# Altium PCB PCB_supply unit.PcbDoc (continued)
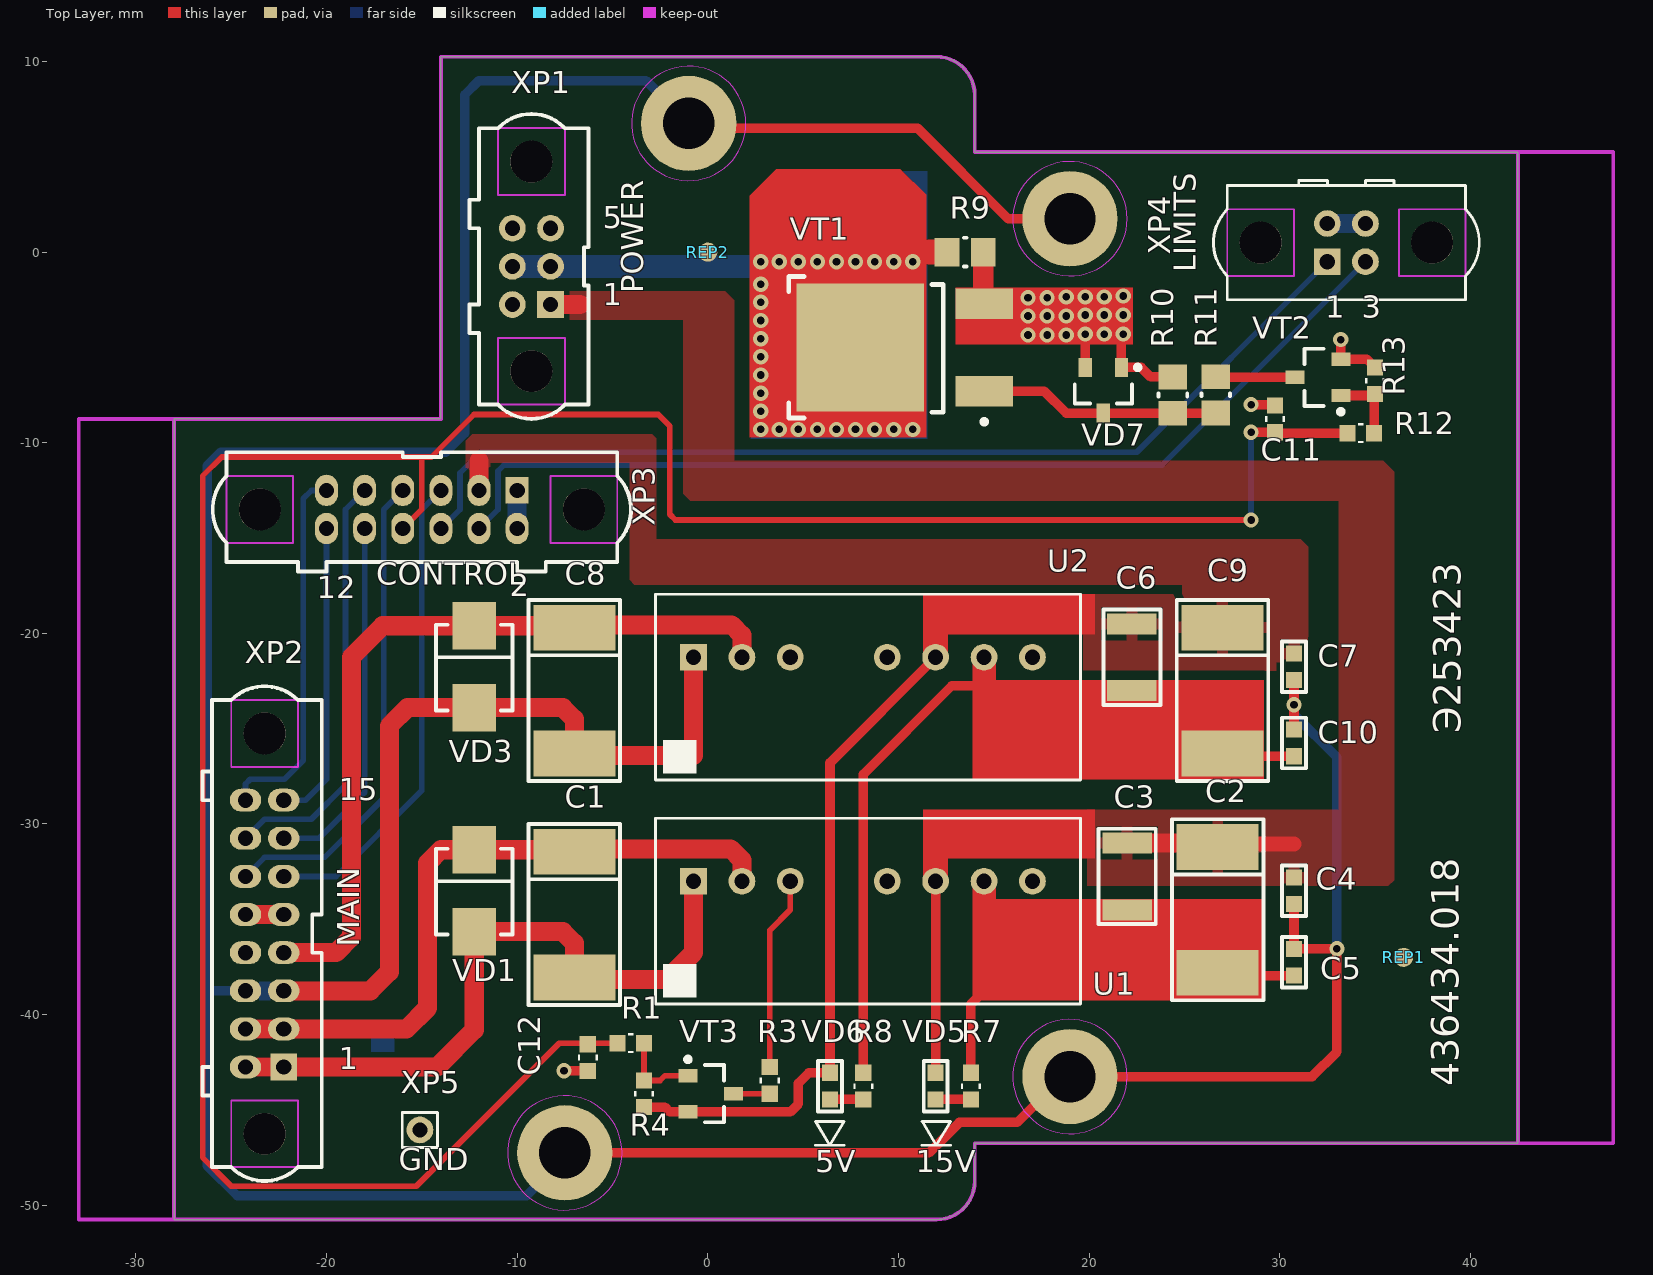
[diagram p0: Top Layer view]
## Components (designator, comment, footprint, x,y, rotation, side; value= is the part's Value field where it differs from the comment)
C1 "Tantalum capacitor, 10мк, 50V, ±10%, 0.7 Ом, case E, -60...+125°C" "CAP: TANTAL-E" -7,-34.75 r270 top value=10мк
C2 "Tantalum capacitor, 22мк, 25V, ±10%, 0.7 Ом, case D, -60...+125°C" "CAP: TANTAL-D" 26.75,-34.5 r270 top value=22мк
C3 "Ceramic capacitor, 0.47мк, Н20, ±10%, 25V, 1210 (3225М)," "CAP: 1210" 22,-32.75 r90 top value=0.47мк
C4 "Ceramic capacitor, 10000, Н20, ±10%, 50V, 0603 (1608M)," "CAP: 0603" 30.75,-33.5 r270 top value=10000
C5 "Ceramic capacitor, 10000, Н20, ±10%, 50V, 0603 (1608M)," "CAP: 0603" 30.75,-37.25 r270 top value=10000
C6 "Ceramic capacitor, 0.47мк, Н20, ±10%, 25V, 1210 (3225М)," "CAP: 1210" 22.25,-21.25 r90 top value=0.47мк
C7 "Ceramic capacitor, 10000, Н20, ±10%, 50V, 0603 (1608M)," "CAP: 0603" 30.75,-21.75 r270 top value=10000
C8 "Tantalum capacitor, 10мк, 50V, ±10%, 0.7 Ом, case E, -60...+125°C" "CAP: TANTAL-E" -7,-23 r270 top value=10мк
C9 "Tantalum capacitor, 22мк, 25V, ±10%, 0.7 Ом, case D, -60...+125°C" "CAP: TANTAL-D" 27,-23 r270 top value=22мк
C10 "Ceramic capacitor, 10000, Н20, ±10%, 50V, 0603 (1608M)," "CAP: 0603" 30.75,-25.75 r270 top value=10000
C11 "Ceramic capacitor, 0.01мк, H20, ±20%, 50V, 0603, -55...+125°C" "CAP: 0603P" 29.75,-8.75 r90 top value=0.01мк
C12 "Ceramic capacitor, 0.01мк, H20, ±20%, 50V, 0603, -55...+125°C" "CAP: 0603P" -6.292,-42.25 r270 top value=0.01мк
NT1 "ValueManufacturerPartNumber" NetTie_0805 -17.05,-41.45 r270 bottom net-tie
NT2 "ValueManufacturerPartNumber" NetTie_0603 -23.25,-38.75 r0 bottom net-tie
R1 "Resistor film, 3k, ±1%, 0603, 0.1W, -55...+125°C" "RES: 0603P" -4.042,-41.5 r180 top value=3k
R3 "Resistor film, 0.15, ±20%, 0603, 0.1W, -55...+125°C" "RES: 0603P" 3.25,-43.45 r90 top value=0.15
R4 "Resistor film, 10k, ±5%, 0603, 0.1W, -55...+125°C" "RES: 0603P" -3.342,-44.15 r90 top value=10k
R7 "Resistor film, 3k, ±1%, 0603, 0.1W, -55...+125°C" "RES: 0603P" 13.8,-43.75 r270 top value=3k
R8 "Resistor film, 680, ±5%, 0603, 0.1W, -55...+125°C" "RES: 0603P" 8.16,-43.75 r90 top value=680
R9 "Resistor film, 680, ±5%, 0805, 0.125W," "RES: 0805P" 13.5,0 r180 top value=680
R10 "Resistor film, 4.02k, ±1%, 0805, 0.125W, -55...+125°C" "RES: 0805P" 24.4,-7.498 r270 top value=4.02k
R11 "Resistor film, 4.02k, ±1%, 0805, 0.125W, -55...+125°C" "RES: 0805P" 26.65,-7.488 r90 top value=4.02k
R12 "Resistor film, 3k, ±1%, 0603, 0.1W, -55...+125°C" "RES: 0603P" 34.25,-9.5 r0 top value=3k
R13 "Resistor film, 10k, ±5%, 0603, 0.1W, -55...+125°C" "RES: 0603P" 35,-6.75 r270 top value=10k
REP1 "" REPER 36.5,-37 r0 top
REP2 "" REPER 0,0 r0 top
U1 "DC/DC converter, isolator, 15V 1.5A, -40...+90°C, SIP-8" SIP-8 -0.75,-33 r0 top
U2 "DC/DC converter, isolator, 5V 600mA, -40...+90°C, SIP-8" SIP-8 -0.75,-21.25 r0 top
VD1 "Zener diode, 39V, 8A, 0.9V, RecoveryTime, SMB(КД-42)," "DIODE: SMB" -12.25,-33.5 r90 top
VD3 "Zener diode, 39V, 8A, 0.9V, RecoveryTime, SMB(КД-42)," "DIODE: SMB" -12.25,-21.75 r90 top
VD5 "LED, 20mA max, 2.1V typ, 1608, -55...+150°C" "LED: 0603G" 11.95,-43.75 r270 top
VD6 "LED, 20mA max, 2.1V typ, 1608, -55...+150°C" "LED: 0603G" 6.41,-43.75 r270 top
VD7 "TVS diode, 18V, 1A, VoltageDrop, RecoveryTime, SOT-23, -55...+150°C" SOT23 20.75,-7.25 r270 top
VT1 "MOSFET P-channel transistor, 60V, 22A, 2.9nC, 2.5W, 40mOhm, 220pF, KT-89 (DPAK/TO-252), -55...+150°C" DPAK 11.25,-5 r180 top
VT2 "NPN transistor, 30V, 100mA, , 300mW, 0.7V, 500, SOT-23 (КТ-46), -55...+125°C" SOT23 32.006,-6.572 r180 top
VT3 "NPN transistor, 40V, 100mA, , 200mW, 1.3V, 220, SOT-23 (КТ-46)," SOT23 0.158,-44.15 r0 top
XP1 "Вилка, 6pin, 2mm, 120VAC, 1.5A" "CON: M80-5000605" -9.25,-0.75 r180 top locked
XP2 ", 16pin, 2mm, 120VAC, 1.5A" "CON: M80-5001605" -23.25,-35.75 r180 top locked
XP3 "Вилка, 12pin, 2mm, 100V, 1.5A" "CON: M80-5001205" -15,-13.5 r270 top locked
XP4 "Вилка, 4pin, 2mm, 120VAC, 1.5A" "CON: M80-5000405" 33.5,0.5 r90 top locked
XP5 "GND" "CON: PLS2-1" -15.1,-46.05 r0 top

## Footprints (in the part's own frame and the unit in brackets; to place one, negate y for a bottom-side part, rotate by r counter-clockwise, add the part's x,y. Pads: shape width x height; smd on the part's side, far side on the other; paste and mask are expansions set on the pad)
"CAP: 0603" [mm]
  rect 0.85x0.85 smd: 1(-0.7,0) 2(0.7,0)
  silkscreen extent -1.33,-0.63 1.33,0.63, body extent -0.8,-0.4 0.8,0.4, height 0.3
"CAP: 0603P" [mm] "small var"
  rect 0.85x0.85 smd: 1(-0.7,0) 2(0.7,0)
  silkscreen extent -0.15,-0.53 0.15,0.53, body extent -0.8,-0.4 0.8,0.4, height 0.3
"CAP: 1210" [mm]
  rect 1.1x2.6 smd: 1(-1.75,0) 2(1.75,0)
  silkscreen extent -2.5,-1.5 2.5,1.5, body extent -2,-1.24 2,1.24, height 1.7
"CAP: TANTAL-D" [mm]
  rect 2.4x4.3 smd: 1(-3.3,0) 2(3.3,0)
  silkscreen extent -4.75,-2.4 4.75,2.4, body extent -3.7,-2.22 3.7,2.23, height 3.01
"CAP: TANTAL-E" [mm]
  rect 2.4x4.3 smd: 1(-3.3,0) 2(3.3,0)
  silkscreen extent -4.75,-2.4 4.75,2.4, body extent -3.7,-2.22 3.7,2.23, height 4.2
"CON: M80-5000405" [mm] "4 pin; Harwin без винтов"
  round 2.2 hole 2.2 unplated: 0(0,4.5) 0(0,-4.5)
  rect 1.4x1.4 hole 0.8: 1(-1,1)
  round 1.4 hole 0.8: 2(1,1) 3(-1,-1) 4(1,-1)
  Top Layer keep-out lines w0.1: -1.75,6.25 -1.75,2.75 1.75,2.75 1.75,6.25 -1.75,6.25 ; -1.75,-2.75 1.75,-2.75 1.75,-6.25 -1.75,-6.25 -1.75,-2.75
  Bottom Layer pour cut-out: 2.2,4.5 1.982,5.455 1.372,6.22 0.49,6.645 -0.49,6.645 -1.372,6.22 -1.982,5.455 -2.2,4.5 -2.2,4.5 -1.982,3.545 -1.372,2.78 -0.49,2.355 0.49,2.355 1.372,2.78 1.982,3.545 2.2,4.5
  Bottom Layer pour cut-out: 2.2,-4.5 1.982,-3.545 1.372,-2.78 0.49,-2.355 -0.49,-2.355 -1.372,-2.78 -1.982,-3.545 -2.2,-4.5 -2.2,-4.5 -1.982,-5.455 -1.372,-6.22 -0.49,-6.645 0.49,-6.645 1.372,-6.22 1.982,-5.455 2.2,-4.5
  silkscreen extent -3,-6.97 3.25,6.97, body extent -2.77,-7 3.28,7, height 5.6
"CON: M80-5000605" [mm] "HR500"
  round 2.2 hole 2.2 unplated mask+0.1: 0(0,5.5) 0(0,-5.5)
  rect 1.4x1.4 hole 0.8: 1(-1,2)
  round 1.4 hole 0.8: 2(1,2) 3(-1,0) 4(1,0) 5(-1,-2) 6(1,-2)
  Top Layer keep-out lines w0.1: 1.75,7.25 -1.75,7.25 -1.75,3.75 1.75,3.75 1.75,7.25 ; 1.75,-3.75 -1.75,-3.75 -1.75,-7.25 1.75,-7.25 1.75,-3.75
  Bottom Layer pour cut-out: 2.2,5.5 1.982,6.455 1.372,7.22 0.49,7.645 -0.49,7.645 -1.372,7.22 -1.982,6.455 -2.2,5.5 -2.2,5.5 -1.982,4.545 -1.372,3.78 -0.49,3.355 0.49,3.355 1.372,3.78 1.982,4.545 2.2,5.5
  Bottom Layer pour cut-out: 2.2,-5.5 1.982,-4.545 1.372,-3.78 0.49,-3.355 -0.49,-3.355 -1.372,-3.78 -1.982,-4.545 -2.2,-5.5 -2.2,-5.5 -1.982,-6.455 -1.372,-7.22 -0.49,-7.645 0.49,-7.645 1.372,-7.22 1.982,-6.455 2.2,-5.5
  silkscreen extent -3,-8 3.25,8, body extent -2.78,-8 3.27,8, height 5.6
"CON: M80-5001205" [mm] "без винтов"
  round 2.2 hole 2.2 unplated mask+0.1: 0(0,8.5) 0(0,-8.5)
  rect 1.4x1.2 hole 0.8: 1(-1,5)
  oval 1.65x1.2 hole 0.8: 2(1,5) 3(-1,3) 4(1,3) 5(-1,1) 6(1,1) 7(-1,-1) 8(1,-1) 9(-1,-3) 10(1,-3) 11(-1,-5) 12(1,-5)
  Top Layer keep-out lines w0.1: 1.75,-10.25 1.75,-6.75 -1.75,-6.75 -1.75,-10.25 1.75,-10.25 ; 1.75,6.75 1.75,10.25 -1.75,10.25 -1.75,6.75 1.75,6.75
  Bottom Layer pour cut-out: 2.2,-8.5 1.982,-7.545 1.372,-6.78 0.49,-6.355 -0.49,-6.355 -1.372,-6.78 -1.982,-7.545 -2.2,-8.5 -2.2,-8.5 -1.982,-9.455 -1.372,-10.22 -0.49,-10.645 0.49,-10.645 1.372,-10.22 1.982,-9.455 2.2,-8.5
  Bottom Layer pour cut-out: 2.2,8.5 1.982,9.455 1.372,10.22 0.49,10.645 -0.49,10.645 -1.372,10.22 -1.982,9.455 -2.2,8.5 -2.2,8.5 -1.982,7.545 -1.372,6.78 -0.49,6.355 0.49,6.355 1.372,6.78 1.982,7.545 2.2,8.5
  silkscreen extent -3,-10.97 3.25,10.97, body extent -2.77,-11 3.28,11, height 5.6
"CON: M80-5001605" [mm] "16pin Harwin"
  round 2.2 hole 2.2 unplated mask+0.1: 0(0,10.5) 0(0,-10.5)
  rect 1.4x1.4 hole 0.8: 1(-1,7)
  oval 1.65x1.2 hole 0.8: 2(1,7) 3(-1,5) 4(1,5) 5(-1,3) 6(1,3) 7(-1,1) 8(1,1) 9(-1,-1) 10(1,-1) 11(-1,-3) 12(1,-3) 13(-1,-5) 14(1,-5) 15(-1,-7) 16(1,-7)
  Top Layer keep-out lines w0.1: 1.75,12.25 1.75,8.75 -1.75,8.75 -1.75,12.25 1.75,12.25 ; 1.75,-8.75 1.75,-12.25 -1.75,-12.25 -1.75,-8.75 1.75,-8.75
  Bottom Layer pour cut-out: 2.2,10.5 1.982,11.455 1.372,12.22 0.49,12.645 -0.49,12.645 -1.372,12.22 -1.982,11.455 -2.2,10.5 -2.2,10.5 -1.982,9.545 -1.372,8.78 -0.49,8.355 0.49,8.355 1.372,8.78 1.982,9.545 2.2,10.5
  Bottom Layer pour cut-out: 2.2,-10.5 1.982,-9.545 1.372,-8.78 0.49,-8.355 -0.49,-8.355 -1.372,-8.78 -1.982,-9.545 -2.2,-10.5 -2.2,-10.5 -1.982,-11.455 -1.372,-12.22 -0.49,-12.645 0.49,-12.645 1.372,-12.22 1.982,-11.455 2.2,-10.5
  silkscreen extent -3,-12.97 3.25,12.97, body extent -2.77,-13 3.28,13, height 5.6
"CON: PLS2-1" [mm] "1 Position,pitch 2mm"
  round 1.4 hole 0.8: 1(0,0)
  silkscreen extent -0.92,-0.92 0.92,0.92, body extent -1,-1 1,1, height 6
"DIODE: SMB" [mm]
  rect 2.5x2.3 smd: 1(-2.15,0) 2(2.15,0)
  silkscreen extent -2.3,-2 2.2,2, body extent -2.75,-1.95 2.75,1.95, height 2.45
DPAK [mm]
  rect 3x1.6 smd: 1(-3.25,2.29) 2(-3.25,-2.29)
  rect 6.7x6.7 smd: 3(3.25,0)
  round 0.5 on Mech1: ""(-3.2,2.9)
  silkscreen extent -3.37,-3.72 7,4.02, body extent -3.8,-3.32 6.3,3.42, height 2.37
"LED: 0603G" [mm]
  rect 0.85x0.85 smd: 1(-0.7,0) 2(0.7,0)
  silkscreen extent -1.33,-0.63 1.33,0.63, body extent -0.8,-0.4 0.8,0.4, height 0.6
NetTie_0603 [mm]
  rect 0.85x1 smd: 1(-0.7,0) 2(0.7,0)
  Top Layer region: -0.3,0.5 0.3,0.5 0.3,-0.5 -0.3,-0.5
NetTie_0805 [mm]
  rect 1x1.25 smd: 1(-1,0) 2(1,0)
  Top Layer region: -0.525,0.625 0.5,0.625 0.5,-0.625 -0.525,-0.625
REPER [mm] "реперная метка для станка"
  round 1 smd mask+0.5: R(0,0)
  Top Layer pour cut-out: 0.017,-1 -0.367,-0.93 -0.695,-0.719 -0.917,-0.399 -1,-0.017 -1,-0.017 -0.93,0.366 -0.719,0.695 -0.399,0.917 -0.017,1 -0.017,1 0.367,0.93 0.695,0.719 0.917,0.399 1,0.017 1,0.017 0.93,-0.367 0.719,-0.695 0.399,-0.917 0.017,-1
"RES: 0603P" [mm] "small footprint"
  rect 0.85x0.85 smd: 1(-0.7,0) 2(0.7,0)
  silkscreen extent -0.15,-0.52 0.15,0.53, body extent -0.8,-0.4 0.8,0.4, height 0.44
"RES: 0805P" [mm] "small footprint"
  rect 1.3x1.5 smd: 1(-0.95,0) 2(0.95,0)
  Top Layer pour cut-out: -0.25,-0.75 -0.25,0.75 0.25,0.75 0.25,-0.75
  silkscreen extent -0.08,-0.75 0.08,0.75, body extent -1,-0.62 1,0.63, height 0.6
SIP-8 [mm] "SIP-8"
  rect 1.4x1.4 hole 0.8 mask+0.1: 1(0,0)
  round 1.4 hole 0.8 mask+0.1: 2(2.54,0) 3(5.08,0) 5(10.16,0) 6(12.7,0) 7(15.24,0) 8(17.78,0)
  silkscreen extent -2.01,-6.45 20.3,3.3, body extent -2.01,-6.5 20.29,3.3, height 12.1
SOT23 [mm]
  rect 1x0.7 smd: 1(-1.2,0.95) 2(-1.2,-0.95) 3(1.2,0)
  silkscreen extent -1.32,-1.5 0.7,1.92, body extent -1.32,-1.52 1.32,1.52, height 1.12

## Part data
C1 C8: library part Tantal_E, Manufacturer=Элеконд, Package="case E", PartNumber="К53-68 \"E\"-50 В-10мкф ±10%", Temperature=-60...+125°C, Tolerance=±10%, TypeCapacitor="Tantalum capacitor", Voltage=50V, Analog="00132739 (pin-to-pin на 15мкФ)", HelpURL=https://eandc.ru/pdf/kondensator/k53-68.pdf, Impedance="0.7 Ом", MAX=00145440, Polarity=+, ValueManufacturerPartNumber="Tantalum capacitor, 10мк, 50V, ±10%, 0.7 Ом, case E, -60...+125°C"
C2 C9: library part Tantal_D, Manufacturer=Элеконд, Package="case D", PartNumber="К53-68 \"D\"-25 В-22мкф ±10%", Temperature=-60...+125°C, Tolerance=±10%, TypeCapacitor="Tantalum capacitor", Voltage=25V, HelpURL=https://eandc.ru/pdf/kondensator/k53-68.pdf, Impedance="0.7 Ом", MAX=00132735, ValueManufacturerPartNumber="Tantalum capacitor, 22мк, 25V, ±10%, 0.7 Ом, case D, -60...+125°C"
C3 C6: library part Ceramic_0603, Manufacturer=Монолит, Package="1210 (3225М)", PartNumber="К10-84в-3225М-25В-0,47 мкФ ±10%-Н20-N-A", Tolerance=±10%, TypeCapacitor="Ceramic capacitor", TypeDielectric=Н20, Voltage=25V, Analog="MAX 00150226", HelpURL=http://www.monolit.vitebsk.by/Files/K10-84.pdf, ValueManufacturerPartNumber="Ceramic capacitor, 0.47мк, Н20, ±10%, 25V, 1210 (3225М),"
C4 C5 C7 C10: library part Ceramic_0603, Manufacturer=Монолит, Package="0603 (1608M)", PartNumber="К10-84в-1608М-50В-10 нФ ±10%-Н20-N-A", Tolerance=±10%, TypeCapacitor="Ceramic capacitor", TypeDielectric=Н20, Voltage=50V, HelpURL=http://www.monolit.vitebsk.by/Files/K10-84.pdf, ValueManufacturerPartNumber="Ceramic capacitor, 10000, Н20, ±10%, 50V, 0603 (1608M),"
C11 C12: library part Ceramic_0603, Manufacturer=Монолит, Package=0603, PartNumber="К10-84в-1608М-50В-0.01мк ±20%-Н20-N-A", Temperature=-55...+125°C, Tolerance=±20%, TypeCapacitor="Ceramic capacitor", TypeDielectric=H20, Voltage=50V, Analog="MAX 00131676 (pin-to-pin)", HelpURL=http://www.monolit.vitebsk.by/Files/K10-84.pdf, ValueManufacturerPartNumber="Ceramic capacitor, 0.01мк, H20, ±20%, 50V, 0603, -55...+125°C"
NT1 NT2: library part NetTie
R1 R7 R12: library part Resistor_0603, Manufacturer="ОАО Ресурс", Package=0603, PartNumber="Р1-12-0,1ум.-3~кОм ±5%-М ШКАБ.434110.002 ТУ", Power=0.1W, Temperature=-55...+125°C, Tolerance=±1%, TypeResistor="Resistor film", HelpURL=https://aoresurs.com/catalog/chip_rezistory/rezistory-r1-12-kategoriya-kachestva-vp-/, MAX=00134036, ValueManufacturerPartNumber="Resistor film, 3k, ±1%, 0603, 0.1W, -55...+125°C"
R3: library part Resistor_0603, Manufacturer="ОАО Ресурс", Package=0603, PartNumber="Р1-12-0,1ум.-0.15~Ом ±20%-М ШКАБ.434110.002 ТУ", Power=0.1W, Temperature=-55...+125°C, Tolerance=±20%, TypeResistor="Resistor film", Analog="MAX 00117169 pin-to-pin", HelpURL=https://aoresurs.com/catalog/chip_rezistory/rezistory-r1-12-kategoriya-kachestva-vp-/, MAX=00133968, ValueManufacturerPartNumber="Resistor film, 0.15, ±20%, 0603, 0.1W, -55...+125°C"
R4 R13: library part Resistor_0603, Manufacturer="ОАО Ресурс", Package=0603, PartNumber="Р1-12-0,1ум.-10~кОм ±5%-М ШКАБ.434110.002 ТУ", Power=0.1W, Temperature=-55...+125°C, Tolerance=±5%, TypeResistor="Resistor film", Analog="MAX 00133986 (1%)", HelpURL=https://aoresurs.com/catalog/chip_rezistory/rezistory-r1-12-kategoriya-kachestva-vp-/, MAX=00133985, ValueManufacturerPartNumber="Resistor film, 10k, ±5%, 0603, 0.1W, -55...+125°C"
R8: library part Resistor_0603, Manufacturer="ОАО Ресурс", Package=0603, PartNumber="Р1-12-0,1ум.-680~Ом ±5%-М ШКАБ.434110.002 ТУ", Power=0.1W, Temperature=-55...+125°C, Tolerance=±5%, TypeResistor="Resistor film", HelpURL=https://aoresurs.com/catalog/chip_rezistory/rezistory-r1-12-kategoriya-kachestva-vp-/, MAX=00134086, ValueManufacturerPartNumber="Resistor film, 680, ±5%, 0603, 0.1W, -55...+125°C"
R9: library part Resistor_0805, Manufacturer=Ресурс, Package=0805, PartNumber="Р1-12-0,125-680 Ом ±5%-М ШКАБ.434110.002 ТУ", Power=0.125W, Tolerance=±5%, TypeResistor="Resistor film", HelpURL=https://aoresurs.com/catalog/chip_rezistory/rezistory-r1-12-kategoriya-kachestva-vp-/, MAX=00133924, ValueManufacturerPartNumber="Resistor film, 680, ±5%, 0805, 0.125W,"
R10 R11: library part Resistor_0603, Manufacturer="ОАО Ресурс", Package=0805, PartNumber="Р1-12-0,1ум.-4.02~кОм ±1%-М ШКАБ.434110.002 ТУ", Power=0.125W, Temperature=-55...+125°C, Tolerance=±1%, TypeResistor="Resistor film", HelpURL=https://aoresurs.com/catalog/chip_rezistory/rezistory-r1-12-kategoriya-kachestva-vp-/, ValueManufacturerPartNumber="Resistor film, 4.02k, ±1%, 0805, 0.125W, -55...+125°C"
  R10: MAX=00123886
  R11: Analog=00123886
U1: library part МДМ3-1В09СН, "DC/DC converter", Manufacturer=Aedon, OutputVoltage="15V 1.5A", Package=SIP-8, PartNumber="МДМ5-1В15НН АНЖЕ.436630.001ТУ", Temperature=-40...+90°C, Analog="MAX 00130134", CommentText=МДМ5-1В15НН, ComponentType="DC/DC converter", HelpURL=https://www.aedon.ru/catalog/dcdc/models/96, OutputType=isolator, ValueManufacturerPartNumber="DC/DC converter, isolator, 15V 1.5A, -40...+90°C, SIP-8", Vin=18-36V
U2: library part МДМ3-1В09СН, "DC/DC converter", Manufacturer=Aedon, OutputVoltage="5V 600mA", Package=SIP-8, PartNumber="МДМ3-1В05НН АНЖЕ.436630.001ТУ", Temperature=-40...+90°C, Analog="MAX 00130811", CommentText=МДМ3-1В05НН, ComponentType="DC/DC converter", HelpURL=https://www.aedon.ru/catalog/dcdc/models/96, OutputType=isolator, ValueManufacturerPartNumber="DC/DC converter, isolator, 5V 600mA, -40...+90°C, SIP-8", Vin=18-36V
VD1 VD3: library part TVS_single, Current=8A, Manufacturer=НЗПП, Package=SMB(КД-42), PartNumber=2Р245Е91, Voltage=39V, VoltageDrop=0.9V, Analog=SMA6J33A, HelpURL=http://www.nzpp.ru/product/, TypeDiode="Zener diode", ValueManufacturerPartNumber="Zener diode, 39V, 8A, 0.9V, RecoveryTime, SMB(КД-42),"
VD5 VD6: library part LED_single, Color=GREEN, Current="20mA max", Manufacturer=Протон, Package=1608, PartNumber=ИПД169А9-Л, Temperature=-55...+150°C, VoltageDrop="2.1V typ", Analog="MAX 00129484 КР-1608 Kingbright (pin-to-pin)", TypeDiode=LED, ValueManufacturerPartNumber="LED, 20mA max, 2.1V typ, 1608, -55...+150°C"
  VD5: CommentText=15V
  VD6: CommentText=5V
VD7: library part TVS_array_var2, Current=1A, Manufacturer=КРИП, Package=SOT-23, PartNumber=2Р192В9, Temperature=-55...+150°C, Voltage=18V, Analog="КР192А9 (ОТК) (pin-to-pin)", Cap=21pF, NOTE="указано для pin1-pin3", TypeDiode="TVS diode", Uогр.=22.5V, ValueManufacturerPartNumber="TVS diode, 18V, 1A, VoltageDrop, RecoveryTime, SOT-23, -55...+150°C"
VT1: library part MOSFET_P_132, CurrentDS=22A, InputCapacitor=220pF, Manufacturer=Ангстрем, MaxPower=2.5W, Package="KT-89 (DPAK/TO-252)", PartNumber=2ПЕ209Б92, Temperature=-55...+150°C, VoltageDS=60V, Analog="SUD50P06-15 (pin-to-pin)", GateCharge=2.9nC, HelpURL=https://www.vishay.com/docs/68940/sud50p06-15.pdf, RDS=40mOhm, TypeTransistor="MOSFET P-channel transistor", ValueManufacturerPartNumber="MOSFET P-channel transistor, 60V, 22A, 2.9nC, 2.5W, 40mOhm, 220pF, KT-89 (DPAK/TO-252), -55...+150°C"
VT2: library part BJT_NPN_132, CurrentCE=100mA, CurrentGain=500, Manufacturer="ООО НПК Далекс", MaxPower=300mW, Package="SOT-23 (КТ-46)", PartNumber=2Т3130Б9, Temperature=-55...+125°C, VoltageCE=30V, VoltageSaturation=0.7V, HelpURL=http://www.radioman-portal.ru/sprav/pp/transisters/sourse/2t3130.pdf, MAX=00123842, TypeTransistor="NPN transistor", ValueManufacturerPartNumber="NPN transistor, 30V, 100mA, , 300mW, 0.7V, 500, SOT-23 (КТ-46), -55...+125°C"
VT3: library part BJT_PNP_123, CurrentCE=100mA, CurrentGain=220, MaxPower=200mW, Package="SOT-23 (КТ-46)", PartNumber=2Т3129Б9, VoltageCE=40V, VoltageSaturation=1.3V, HelpURL=https://eandc.ru/pdf/tranzistor/2t3129_kt3129.pdf, MAX=00123135, TypeTransistor="NPN transistor", ValueManufacturerPartNumber="NPN transistor, 40V, 100mA, , 200mW, 1.3V, 220, SOT-23 (КТ-46),"
XP1: library part "M80-5000605 Harwin", "вилка на плату", CurrentMax=1.5A, Manufacturer=Электроделать, PartNumber=СНП401-6ВП21-3-1-1, VoltageMax=120VAC, Analog="MAX 00126397 (M80-5000605 pin-to-pin)", CommentText=СНП401, HelpURL=https://eu.mouser.com/ProductDetail/Harwin/M80-5000605?qs=yQtJ9TWM%2F1KaJIUUBEXorg%3D%3D, Multichannel=6pin, Pitch=2mm, TypeConnector=Вилка, ValueManufacturerPartNumber="Вилка, 6pin, 2mm, 120VAC, 1.5A"
XP2: library part "M80-5001205 Harwin_1", "вилка на плату", CurrentMax=1.5A, Manufacturer=Электродеталь, PartNumber=СНП401-16ВП21-3-1-1, VoltageMax=120VAC, Analog="MAX 00139241 [М80-5101605] (pin-to-pin)", CommentText=СНП401, HelpURL=https://www.digikey.com/product-detail/en/harwin-inc/M80-5001605/952-2626-ND/5175716, Multichannel=16pin, Pitch=2mm, ValueManufacturerPartNumber=", 16pin, 2mm, 120VAC, 1.5A"
XP3: library part "M80-5001205 Harwin", "вилка на плату", CurrentMax=1.5A, Manufacturer=Электродеталь, PartNumber=СНП401-12ВП21-3-1-1, VoltageMax=100V, Analog="MAX 00138662 (M80-5101205 pin-to-pin)", CommentText=СНП401, HelpURL=https://eu.mouser.com/ProductDetail/Harwin/M80-5001205?qs=yQtJ9TWM%2F1IJJSuF%2FTVm0Q==, Multichannel=12pin, Pitch=2mm, TypeConnector=Вилка, ValueManufacturerPartNumber="Вилка, 12pin, 2mm, 100V, 1.5A"
XP4: library part "M80-5000405 Harwin", "вилка на плату", CurrentMax=1.5A, Manufacturer=Электродеталь, PartNumber=СНП401-4ВП21-3-1-1, VoltageMax=120VAC, Analog="MAX 00138661", CommentText=СНП401, HelpURL=https://eu.mouser.com/ProductDetail/Harwin/M80-5000405?qs=yQtJ9TWM%2F1IJnFqYnM2R9Q%3D%3D, Multichannel=4pin, Pitch=2mm, TypeConnector=Вилка, ValueManufacturerPartNumber="Вилка, 4pin, 2mm, 120VAC, 1.5A"
XP5: library part PLS2-1, "Test probe", Manufacturer=Электродеталь, PartNumber=СНП377-1ВП21-1, Tolerance=СНП377, Analog=PLS2-1, HelpURL=https://www.elektrodetal.com/catalog/snp377/, Published=2019, Publisher=TEN, Type="Control pin", Шаг=2mm

## Free pads (board coordinates)
  round 5 hole 2.7: 1(-7.5,-47.25) 1(-1,6.75) 1(19,-43.25) 1(19,1.75)

## Via types
v1: diameter 0.8, hole 0.4, Top Layer to Bottom Layer, tented both sides, 51 vias

## Nets (pads, with @x,y where several pads share a name; then routed paths per layer and width w, separated by ;. In a path a pad name is that pad's centre, name@x,y a point inside that pad or via, vN(x,y) a via of type N, cw(c..) or ccw(c..) an arc to the next point about the centre after c; other vN are vias at no path point)
+5V: C6.2 C7.1 C9.1 R4.1 U2.6 VD6.1 VT3.2 XP3.3 | length 37
  Top Layer w0.5: R4.1 -2.25,-44.85 -2,-45.1 VT3.2 4.33,-45.1 4.75,-44.68 4.75,-43.6 5.3,-43.05 VD6.1 6.41,-26.79 U2.6
  Top Layer w1: XP3.3 -12,-10.95
+15V: C2.1 C3.2 C4.1 U1.6 VD5.1 XP1.1 | length 20.5
  Top Layer w0.5: VD5.1@11.95,-43.142 VD5.1 U1.6
  Top Layer w0.8: C2.1@26.75,-31.1 26.8,-31.05 30.75,-31.05
  Top Layer w1: XP1.1 -6.717,-2.75 ; C3.2 26.65,-31 C2.1@26.75,-31.1
+27V_AM: C8.1 U2.2 VD3.2 XP2.7 | length 41.2
  Top Layer w1: XP2.7 -19.5,-36.75 -18.7,-35.95 -18.7,-21.25 -17.05,-19.6 VD3.2 -7,-19.6 -6.95,-19.55 1.25,-19.55 1.79,-20.09 U2.2
+27V_RM: C1.1 R9.1 R10.1 U1.2 VD1.2 VD7.1 VD7.2 VT1.2 XP2.3 XP2.4 | length 44.2
  Top Layer w0.5: VD7.2 v1(19.8,-4.3) ; v1(21.8,-4.3) 21.7,-4.4 VD7.1 22.728,-6.05 23.226,-6.548 R10.1
  Top Layer w1: XP2.4 XP2.3 -15.8,-40.75 -14.7,-39.65 -14.7,-32.05 -14,-31.35 VD1.2 -7,-31.35 -7,-31.3 1.2,-31.3 1.79,-31.89 U1.2
  Bottom Layer w1: XP2.4 XP2.3
  other v1: 16.8,-4.35 17.8,-4.35 18.8,-4.35 20.8,-4.3 16.8,-3.35 17.8,-3.35 18.8,-3.35 19.8,-3.3 20.8,-3.3 21.8,-3.3 16.8,-2.4 17.8,-2.4 18.8,-2.35 19.8,-2.35 20.8,-2.35 21.8,-2.3
"+27V_RM (lim)": R9.2 VT1.3 XP1.3 XP1.4
  other v1: 2.772,-9.3 3.75,-9.3 4.75,-9.3 5.75,-9.3 6.75,-9.3 7.75,-9.3 8.75,-9.3 9.75,-9.3 10.75,-9.3 2.772,-8.35 2.772,-7.398 2.772,-6.446 2.772,-5.493 2.772,-4.541 2.772,-3.589 2.772,-2.637 2.772,-1.684 2.772,-0.5 3.75,-0.5 4.75,-0.5 5.75,-0.5 6.75,-0.5 7.75,-0.5 8.75,-0.5 9.75,-0.5 10.75,-0.5
A: XP2.12 XP3.7 | length 25.5
  Bottom Layer w0.3: XP2.12 -23.25,-31.75 -20.1,-31.75 -17,-28.65 -17,-13.5 XP3.7
ADR0: XP2.13 XP3.10 | length 19.1
  Bottom Layer w0.3: XP2.13 -20.4,-30.75 -18,-28.35 XP3.10
ADR1: XP2.15 XP3.12 | length 15.9
  Bottom Layer w0.3: XP2.15 -21.1,-28.75 -20,-27.65 XP3.12
B: XP2.14 XP3.9 | length 22.3
  Bottom Layer w0.3: XP2.14 -23.25,-29.75 -20.8,-29.75 -19,-27.95 -19,-13.5 XP3.9
DC_MOSFET: C11.1 C12.1 R1.2 R12.1 XP3.8 | length 136.3
  Top Layer w0.3: XP3.8 -15,-13.5 -15,-10.75 ; R1.2 -7.792,-41.5 -15.292,-49 -25,-49 -26.5,-47.5 -26.5,-11.75 -25.5,-10.75 -15,-10.75 ; v1(28.5,-14.05) -1.7,-14.05 -2,-13.75 -2,-9.118 -2.6,-8.518 -12.268,-8.518 -14.5,-10.75 -15,-10.75
  Top Layer w0.5: v1(28.5,-9.45) C11.1 ; C11.1@29.8,-9.5 R12.1
  Bottom Layer w0.3: v1(28.5,-14.05) v1(28.5,-9.45)
GND(AM): C6.1 C8.2 C9.2 C10.2 NT1.1 NT2.2 R8.2 U2.1 U2.7 VD3.1 XP2.5 XP2.9 XP2.10 XP3.1 XP3.2 XP4.2 XP4.4 | length 78.7
  Top Layer w0.5: R8.2 8.16,-27.39 12.8,-22.75 15.1,-22.75 ; C9.2@27.05,-26.45 C10.2
  Top Layer w1: XP2.10 XP2.9 ; XP2.5 -17.7,-38.75 -16.7,-37.75 -16.7,-24.85 -15.75,-23.9 VD3.1 -7.6,-23.9 -7,-24.5 C8.2 -6.9,-26.4 -0.75,-26.4 U2.1
  Bottom Layer w1: XP2.10 XP2.9 ; XP3.2 XP3.1 ; XP4.2 XP4.4
GND(RM): C1.2 C2.2 C3.1 C5.2 C11.2 C12.2 NT1.2 R7.1 R13.1 U1.1 U1.7 VD1.1 VT2.2 XP1.2 XP1.5 XP1.6 XP2.1 XP2.2 XP5.1 | length 52.5
  Top Layer w0.5: v1(-7.542,-42.95) C12.2 ; R7.1 13.8,-39.45 14.75,-38.5 ; C2.2@26.8,-37.95 C5.2 ; v1(28.5,-8) 29.7,-8 C11.2 ; v1(33.206,-4.589) VT2.2 34.572,-5.622 R13.1
  Top Layer w0.8: C2.2@26.75,-37.9 C2.2@26.85,-37.8
  Top Layer w1: XP2.2 XP2.1 -14.2,-42.75 -12.25,-40.8 VD1.1 -7.6,-35.65 -7,-36.25 -7,-38.15 -2.15,-38.15 -0.75,-36.75 U1.1
  Bottom Layer w1: XP2.2 XP2.1
Limit_L: XP3.4 XP4.3 | length 53.5
  Bottom Layer w0.3: XP3.4 -11,-13.5 -11,-11.482 -10.688,-11.171 23.829,-11.171 XP4.3
Limit_R: XP3.6 XP4.1 | length 53.4
  Bottom Layer w0.3: XP3.6 -13,-13.5 -13,-11.585 -11.915,-10.5 22.5,-10.5 XP4.1
NetR1_1: R1.1 R4.2 VT3.1 | length 4.4
  Top Layer w0.3: R1.1 R4.2 -2.5,-43.45 -2.25,-43.2 VT3.1
NetR3_1: R3.1 VT3.3 | length 1.9
  Top Layer w0.3: VT3.3 R3.1
NetR3_2: R3.2 U1.3 | length 10.2
  Top Layer w0.3: R3.2 3.25,-35.58 4.33,-34.5 U1.3
NetR7_2: R7.2 VD5.2 | length 1.8
  Top Layer w0.5: VD5.2 R7.2
NetR8_1: R8.1 VD6.2 | length 1.7
  Top Layer w0.5: VD6.2 R8.1
NetR10_2: R10.2 R11.1 VD7.3 VT1.1 | length 16.3
  Top Layer w0.3: VD7.3 20.762,-8.438 R10.2@24.4,-8.438
  Top Layer w0.5: VT1.1 17.642,-7.29 18.802,-8.45 VD7.3 24.398,-8.45 R10.2 26.64,-8.448 R11.1
NetR11_2: R11.2 VT2.3 | length 4.1
  Top Layer w0.5: R11.2@26.684,-6.572 VT2.3
NetR12_2: R12.2 R13.2 VT2.1 | length 3.7
  Top Layer w0.5: VT2.1 R13.2@34.928,-7.522 ; R12.2 R13.2@34.95,-7.5
R1.120: XP2.11 XP3.5 | length 25.3
  Bottom Layer w0.3: XP2.11 -19.5,-32.75 -15,-28.25 -15,-13.5 XP3.5
R2.120: XP2.16 XP3.11 | length 19.5
  Bottom Layer w0.3: XP2.16 -24.25,-27.9 -24,-27.65 -22.2,-27.65 -21.217,-26.667 -21.217,-12.933 -20.785,-12.5 XP3.11
Корпус: C4.2 C5.1 C7.2 C10.1 NT2.1 pad.1 XP2.6 | length 196
  Top Layer w0.5: pad.1@-7.5,-47.25 -7.5,-47.75 -7,-47.25 11.6,-47.25 13.2,-45.65 16.233,-45.65 18.633,-43.25 19,-43.25 31.702,-43.25 33,-41.952 v1(33,-36.55) C5.1 C4.2 ; pad.1@-1,6.75 -0.75,6.5 11,6.5 15.75,1.75 pad.1@19,1.75 ; C10.1 v1(30.75,-23.75) C7.2
  Bottom Layer w0.5: -26.25,-38.75 XP2.6 ; pad.1@-7.5,-47.25 -7.5,-47.493 -9.507,-49.5 -24.685,-49.5 -26.25,-47.935 -26.25,-11.198 -25.552,-10.5 -13.75,-10.5 -12.75,-9.5 -12.75,8.253 -12.003,9 -3.25,9 pad.1@-1,6.75 ; v1(30.75,-23.75) 30.75,-24.25 33,-26.5 v1(33,-36.55)
pads on no net: REP1.R REP2.R U1.5 U1.8 U2.3 U2.5 U2.8 VT1. XP1.0 XP2.0 XP2.8 XP3.0 XP4.0

## Polygon pours and split planes (outlines as drawn)
+15V on Top Layer "+15V_L01_P002" (solid, remove dead copper, pour order 2): 19.9,-29.25 33.1,-29.25 33.1,-13.05 -0.933,-13.05 -1.3,-12.683 -1.3,-3.55 -9.25,-3.55 -9.25,-2.05 0.927,-2.05 1.4,-2.523 1.4,-10.95 35.429,-10.95 36,-11.521 36,-32.95 35.7,-33.25 19.9,-33.25
+5V on Top Layer "+5V_L01_P000" (solid, remove dead copper, pour order 0): 19.7,-21.95 19.7,-17.95 24.9,-17.95 24.9,-17.45 -3.845,-17.45 -4.1,-17.195 -4.1,-11.05 -11.4,-11.05 -11.4,-12.5 -12.7,-12.5 -12.7,-9.55 -2.903,-9.55 -2.7,-9.753 -2.7,-15.05 31.106,-15.05 31.5,-15.444 31.5,-21.95
GND(RM) on Bottom Layer "GND(RM)_L04_P015" (solid, remove dead copper, pour order 15): -22.3,-41.85 -3,-41.85 -3,-28.45 42.5,-28.45 42.5,-50.85 -22.2,-50.85 -22.3,-50.75
GND(AM) on Bottom Layer "GND(AM)_L04_P004" (solid, remove dead copper, pour order 4): 31.3,-12.65 31.3,5.25 42.5,5.25 42.5,-12.05 42.5,-27.45 -4,-27.45 -4,-41.1 -23.033,-41.1 -23.033,-34.13 -19.701,-34.13 -14,-28.429 -14,-12.65
+27V_RM on INT1 "+27V_RM_L02_P013" (solid, remove dead copper, pour order 13): -28,-50.75 -28,-8.75 -14,-8.75 -14,10.25 12,10.25 cw(c12,8.25) 14,8.25 14,5.25 37.5,5.25 37.5,-46.75 14,-46.75 14,-48.75 cw(c12,-48.75) 12,-50.75
"+27V_RM (lim)" on INT1 "+27V_RM_(LIM)_L02_P010" (solid, remove dead copper, pour order 10): -13.388,9.638 -13.376,9.65 11.5,9.579 11.5,-10.75 -13.35,-10.75
GND(RM) on INT2 "GND(RM)_L03_P014" (solid, remove dead copper, pour order 14): -28,-50.75 -28,-8.75 -14,-8.75 -14,10.25 12,10.25 cw(c12,8.25) 14,8.25 14,5.25 37.5,5.25 37.5,-46.75 14,-46.75 14,-48.75 cw(c12,-48.75) 12,-50.75

## Keep-outs
Top Layer:
  circle w0.05: c-7.5,-47.25 r3
  circle w0.05: c19,-43.25 r3
  circle w0.05: c-1,6.75 r3
  circle w0.05: c19,1.75 r3
Bottom Layer:
  circle w0.05: c19,-43.25 r3
  circle w0.05: c19,1.75 r3
  lines w0.1 net Корпус: -10.5,-50.75 -10.5,-44.25 -4.5,-44.25 ; -4.48,-50.75 -4.48,-44.25 ; -4.02,3.75 -4.02,10.25 ; -4,3.75 2,3.75 2,10.25
Keep-Out Layer:
  lines w0.2: -28,-50.75 -33,-50.75 -33,-8.75 -28,-8.75 ; -28,-50.75 -28,-8.75 ; -28,-50.75 12,-50.75 ccw(c12,-48.75) 14,-48.75 14,-46.75 42.5,-46.75 ; -28,-8.75 -14,-8.75 -14,10.25 12,10.25 cw(c12,8.25) 14,8.25 14,5.25 42.5,5.25 ; 42.5,-46.75 47.5,-46.75 47.5,5.25 42.5,5.25 ; 42.5,-46.75 42.5,5.25

## Other copper
Top Layer:
  rectangle net "+27V_RM (lim)": 11.3,-0.65 12.3,0.65
  rectangle net +27V_RM: 13.9,-2.25 15,0
  rectangle net +27V_RM: 13,-4.85 22.3,-1.85
  region net "+27V_RM (lim)": 3.6,4.35 10.1,4.35 11.45,3 11.45,-9.7 2.2,-9.7 2.2,2.95
  region net GND(AM): 15.1,-21.25 15.1,-22.45 29.163,-22.45 29.163,-27.65 13.9,-27.65 13.9,-21.25
  region net GND(RM): 15.1,-33 15.1,-33.95 29.1,-33.95 29.1,-39.25 13.9,-39.25 13.9,-33
  region net +5V: 12.6,-21.25 12.6,-20.05 20.3,-20.05 20.3,-17.95 11.3,-17.95 11.3,-21.25
  region net +15V: 12.6,-33 12.6,-31.8 20.3,-31.8 20.3,-29.25 11.3,-29.25 11.3,-33
INT1:
  pour cut-out: -2.75,-18.45 19.55,-18.45 19.55,-24.468 -2.75,-24.468
  pour cut-out: -25.25,-10.5 -6.75,-10.5 -6.75,-16.65 -25.209,-16.65
INT2:
  pour cut-out: -2.75,-18.45 19.55,-18.45 19.55,-24.468 -2.75,-24.468
  pour cut-out: -25.271,-10.4 -6.771,-10.4 -6.771,-16.55 -25.229,-16.55
Bottom Layer:
  rectangle net "+27V_RM (lim)": -10.25,-1.35 2.5,-0.15
  region net "+27V_RM (lim)": 11.5,4.25 4.672,4.25 2.25,1.828 2.25,-9.8 11.5,-9.8

## Silkscreen, mask and mechanical layers (free items; w line width, h text height)
Top Overlay:
  lines w0.15: 5.65,-46.85 7.15,-46.85 ; 11.24,-46.85 12.74,-46.85 ; 5.65,-45.6 6.4,-46.85 7.15,-45.6 5.65,-45.6 ; 11.24,-45.6 12.74,-45.6 11.99,-46.85 11.24,-45.6
  text "LIMITS" at 26,-1.05 h2 r90
  text "POWER" at -3,-2.15 h2 r90
  text "CONTROL" at -17.4,-17.85 h2
  text "Э253423" at 40,-25.25 h2.5 r90
  text "MAIN" at -17.9,-36.45 h2 r90
  text "436434.018" at 39.9,-43.75 h2.5 r90
  text "5V" at 5.65,-48.65 h2
  text "15V" at 10.898,-48.65 h2
Mechanical 11:
  lines w0.05: 13,-49.75 13,9.25
Drill Drawing:
  circle w0.254: c52.556,-38.89 r0.847
  lines w0.254: 51.709,-45.663 53.403,-45.663 52.556,-47.356 51.709,-45.663 ; 51.709,-43.546 52.556,-43.123 53.403,-43.546 52.979,-42.7 53.403,-41.853 52.556,-42.277 51.709,-41.853 52.133,-42.7 51.709,-43.546 ; 51.709,-35.926 53.403,-35.926 53.403,-34.233 51.709,-34.233 51.709,-35.926
  lines w0.381: 50.19,-48.499 378.216,-48.499 ; 50.19,-33.259 378.216,-33.259 ; 64.183,-52.309 64.183,-29.449 ; 78.911,-52.309 78.911,-29.449 ; 108.62,-52.309 108.62,-29.449 ; 121.469,-52.309 121.469,-29.449 ; 140.108,-52.309 140.108,-29.449 ; 178.197,-52.309 178.197,-29.449 ; 193.179,-52.309 193.179,-29.449 ; 212.122,-52.309 212.122,-29.449 ; 231.167,-52.309 231.167,-29.449 ; 252.852,-52.309 252.852,-29.449 ; 286.726,-52.309 286.726,-29.449 ; 320.6,-52.309 320.6,-29.449 ; 342.59,-52.309 342.59,-29.449 ; 50.19,-52.309 378.216,-52.309 378.216,-29.449 50.19,-29.449 50.19,-52.309
  text "Symbol" at 52.476,-32.116 h1.83
  text "Count" at 65.326,-32.116 h1.83
  text "Hole Size" at 80.054,-32.116 h1.83
  text "Plated" at 109.763,-32.116 h1.83
  text "Hole Type" at 122.612,-32.116 h1.83
  text "Drill Layer Pair" at 141.251,-32.116 h1.83
  text "Via/Pad" at 179.34,-32.116 h1.83
  text "Pad Shape" at 194.322,-32.116 h1.83
  text "Template" at 213.265,-32.116 h1.83
  text "Description" at 232.31,-32.116 h1.83
  text "Hole Tolerance (+)" at 253.995,-32.116 h1.83
  text "Hole Tolerance (-)" at 287.869,-32.116 h1.83
  text "Hole Length" at 321.743,-32.116 h1.83
  text "Routed Path Length" at 343.733,-32.116 h1.83
  text "4" at 65.326,-35.926 h1.52
  text "2,700mm (106,30mil)" at 80.054,-35.926 h1.52
  text "PTH" at 109.763,-35.926 h1.52
  text "Round" at 122.612,-35.926 h1.52
  text "Top Layer - Bottom Layer" at 141.251,-35.926 h1.52
  text "Pad" at 179.34,-35.926 h1.52
  text "Rounded" at 194.322,-35.926 h1.52
  text "c500h270" at 213.265,-35.926 h1.52
  text "-" at 321.743,-35.926 h1.52
  text "-" at 343.733,-35.926 h1.52
  text "8" at 65.326,-39.736 h1.52
  text "2,200mm (86,61mil)" at 80.054,-39.736 h1.52
  text "NPTH" at 109.763,-39.736 h1.52
  text "Round" at 122.612,-39.736 h1.52
  text "Top Layer - Bottom Layer" at 141.251,-39.736 h1.52
  text "Pad" at 179.34,-39.736 h1.52
  text "Rounded" at 194.322,-39.736 h1.52
  text "(Mixed)" at 213.265,-39.736 h1.52
  text "-" at 321.743,-39.736 h1.52
  text "-" at 343.733,-39.736 h1.52
  text "51" at 65.326,-43.546 h1.52
  text "0,400mm (15,75mil)" at 80.054,-43.546 h1.52
  text "PTH" at 109.763,-43.546 h1.52
  text "Round" at 122.612,-43.546 h1.52
  text "Top Layer - Bottom Layer" at 141.251,-43.546 h1.52
  text "Via" at 179.34,-43.546 h1.52
  text "Rounded" at 194.322,-43.546 h1.52
  text "v80h40m0mx0" at 213.265,-43.546 h1.52
  text "-" at 321.743,-43.546 h1.52
  text "-" at 343.733,-43.546 h1.52
  text "53" at 65.326,-47.356 h1.52
  text "0,800mm (31,50mil)" at 80.054,-47.356 h1.52
  text "PTH" at 109.763,-47.356 h1.52
  text "Round" at 122.612,-47.356 h1.52
  text "Top Layer - Bottom Layer" at 141.251,-47.356 h1.52
  text "Pad" at 179.34,-47.356 h1.52
  text "(Mixed)" at 194.322,-47.356 h1.52
  text "(Mixed)" at 213.265,-47.356 h1.52
  text "-" at 321.743,-47.356 h1.52
  text "-" at 343.733,-47.356 h1.52
  text "116 Total" at 65.326,-51.166 h1.52

## Dimensions
-14,10.25 to -28,-50.75 on Size
-33,-8.75 to 47.5,5.25 on Size

## Text inside footprints (layer, text, board x,y; h text height)
XP1: Top Overlay "1" at -5.5,-3.183 h2; Top Overlay "5" at -5.5,0.85 h2
XP2: Top Overlay "15" at -19.35,-29.15 h2; Top Overlay "1" at -19.35,-43.25 h2
XP3: Top Overlay "2" at -10.4,-18.45 h2; Top Overlay "12" at -20.5,-18.55 h2
XP4: Top Overlay "1" at 32.4,-3.85 h2; Top Overlay "3" at 34.3,-3.85 h2